# Altium PCB PCB2.PcbDoc (part 2 of 2)
Units mm, origin at the board's own origin, x right, y up, seen from the top; angles counter-clockwise.
Board outline 110 x 70 mm, 4 copper layers (Top Layer, Int1 (GND), Int2 (PWR), Bottom Layer), stack 1.586 mm thick; 125 components, 172 nets, 577 pads, 549 vias.
Unrouted connection lines stored in the file: 12.
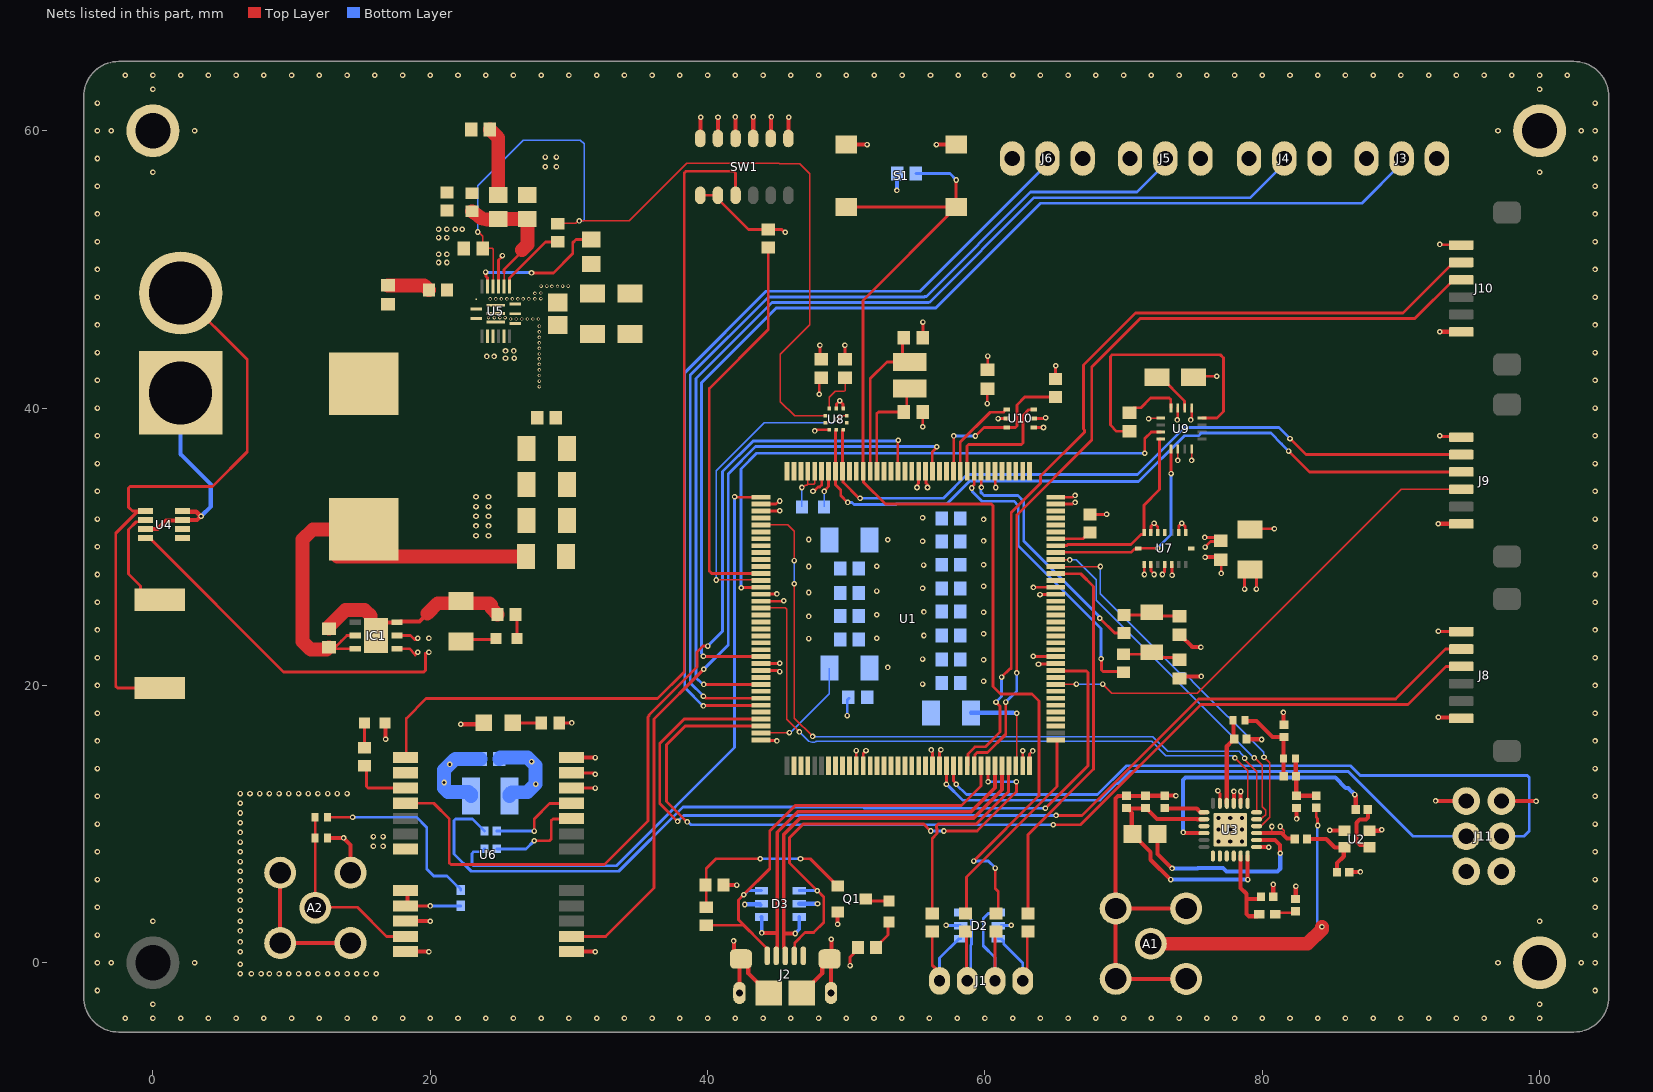
[diagram p4: the nets of this part, all layers, seen from the top]

## Via types
v1: diameter 0.4, hole 0.2, Top Layer to Bottom Layer, tented both sides, 488 vias
v2: diameter 0.25, hole 0.15, Top Layer to Bottom Layer, tented both sides, 40 vias
v3: diameter 0.6, hole 0.3, Top Layer to Bottom Layer, tented both sides, 9 vias
v4: diameter 0.4, hole 0.2, Top Layer to Int2 (PWR), tented both sides, 6 vias
v5: diameter 0.4, hole 0.2, Int2 (PWR) to Bottom Layer, tented both sides, 6 vias

## Nets (pads, with @x,y where several pads share a name; then routed paths per layer and width w, separated by ;. In a path a pad name is that pad's centre, name@x,y a point inside that pad or via, vN(x,y) a via of type N, cw(c..) or ccw(c..) an arc to the next point about the centre after c; other vN are vias at no path point)
+3V3: C13.2 C21.2 C32.2 C33.2 C34.2 C35.2 C36.2 C37.2 C38.2 C39.2 C40.2 C41.2 C42.2 C43.2 C44.2 C45.2 C48.2 C49.2 C50.2 C51.2 C52.2 C56.1 D4.1 FB1.1 IC1.1 IC1.2 J8.1 J9.1 J10.1 L4.1 R1.2 R10.2 R11.2 R12.1 R22.2 R25.2 SW1.1 SW1.2 U1.6 U1.17 U1.30 U1.39 U1.52 U1.62 U1.72 U1.84 U1.95 U1.108 U1.121 U1.131 U1.143 U1.144 U3.15 U4.4 U6.22 U6.23 U7.3 U7.7 U7.10 U7.11 U7.14 U7.15 U9.2 U9.4 U9.13 U10.5 | length 99.2
  Top Layer w0.1: v1(71.8,39.225) 71.825,39.25 72.65,39.25 U9.13@72.675,39.275 ; v1(73.9,36.225) 73.905,36.23 73.905,37.034 U9.2@73.911,37.039 ; v1(74.9,36.225) 74.905,36.23 74.905,37.034 U9.4@74.911,37.039 ; 80.693,9.35 v1(80.693,9.825) ; v1(81.293,9.825) 81.602,9.516 81.602,9.146
  Top Layer w0.203: U4.4@-0.538,30.625 -0.226,30.625 9.424,20.975 19.531,20.975 19.65,21.094 19.65,22.325 ; IC1.1@17.587,22.65 18.505,22.65 18.912,22.243 18.912,22.2 ; IC1.2@17.587,23.6 18.584,23.6 18.884,23.3 v1@18.937,23.3 ; C45.2@22.212,23.175 22.355,23.317 24.692,23.317 D4.1@24.75,23.375 ; R22.2@29.3,17.3 v1(30.2,17.3) ; U6.22@30.2,12.6 v1(31.9,12.6) ; U6.23@30.2,13.7 30.225,13.675 31.772,13.675 31.847,13.6 v1(31.9,13.6) ; SW1.1@39.5,55.3 39.543,55.343 SW1.2@40.745,55.343 ; SW1.2@40.6,55.3 40.6,55.233 42.958,52.875 R10.2@44.375,52.875 45.347,52.875 45.547,52.675 v1(45.6,52.675) ; U1.72@43.85,16.075 43.887,16.037 44.963,16.037 v1(45,16) ; U1.62@43.85,21.075 45.072,21.075 45.147,21 v1(45.2,21) ; U1.52@43.85,26.075 45.465,26.075 v1(45.495,26.105) ; U1.39@43.85,32.575 43.863,32.587 45.187,32.587 v1(45.2,32.6) ; v1(48.1,44.525) 48.1,43.625 C52.2@48.2,43.525 ; v1(48.412,33.988) 48.412,34.042 48.712,34.343 48.712,34.876 48.702,34.887 U1.30@48.702,34.9 ; v1(50.275,-0.2) 50.275,0.4 50.527,0.652 50.527,0.727 50.875,1.075 R1.2@50.95,1.075 ; U1.84@51.225,14.2 51.225,15.09 51.425,15.29 v1(51.425,15.3) ; v1@55.1,34.4 55.1,34.453 55.201,34.555 55.201,35.426 U1.17@55.225,35.45 ; U1.95@56.725,14.2 56.725,15.203 56.824,15.302 v1(56.824,15.355) ; C56.1@60.175,42.75 60.2,42.775 v1(60.2,43.75) ; U1.6@60.725,35.45 60.748,35.426 60.748,34.302 v1(60.775,34.275) ; U1.108@63.225,14.2 63.225,15.065 63.435,15.275 v1(63.45,15.275) ; v1(63.484,22.108) 63.5,22.091 65.059,22.091 U1.121@65.075,22.075 ; v1(63.495,27.067) 63.511,27.083 65.092,27.083 U1.131@65.1,27.075 ; U10.5@63.525,39.25 64.375,39.25 ccw(c64.375,39.275) v1@64.4,39.275 ; U1.143@65.1,33.075 66.322,33.075 66.409,33.162 66.462,33.162 v1(66.5,33.2) ; U1.144@65.1,33.575 66.322,33.575 66.447,33.7 v1(66.5,33.7) ; v1(65.1,43.05) 65.1,42.175 R25.2@65.15,42.125 ; R11.2@67.575,32.325 68.75,32.325 v1(68.775,32.35) ; U7.7@71.475,28.719 71.487,28.707 71.487,28.013 v1(71.5,28) ; U7.10@71.975,31.031 71.975,31.475 v1(72.2,31.7) 72.47,31.43 U7.11@72.47,31.036 ; U7.3@73.475,28.719 73.487,28.707 73.487,28.013 v1@73.5,28 ; U7.14@73.975,31.031 73.975,31.475 v1(74.2,31.7) 74.449,31.451 74.449,31.056 U7.15@74.475,31.031 ; v1(75.85,30.675) 76.875,30.675 C51.2@77.025,30.525 ; v1(75.875,29.975) 76.275,30.375 C51.2@77.075,30.375 ; C50.2@79.131,31.25 79.181,31.3 v1(80.875,31.3) ; R12.1@80.93,3.487 81.043,3.6 82.293,3.6 C13.2@82.405,3.712 ; v1(92.7,23.9) 92.712,23.888 94.387,23.888 J8.1@94.4,23.9 ; v1(92.8,38) 92.838,37.962 94.338,37.962 J9.1@94.4,37.9 ; v1(92.8,51.8) 92.825,51.775 94.275,51.775 J10.1@94.3,51.8
  Top Layer w0.3: U3.15@79.593,9.35 80.693,9.35 81.398,9.35 81.602,9.146 81.779,8.969 82.309,8.969 FB1.1@82.353,8.925
  Bottom Layer w0.1: L4.1@48.4,32.875 48.412,32.887 v1(48.412,33.988)
  Bottom Layer w0.203: v1(50.075,17.825) 50.075,18.95 C21.2@50.2,19.075
  Bottom Layer w1: C48.2@24.975,14.7 25.075,14.8 27.014,14.8 27.6,14.214 v1(27.6,12.886) 27.014,12.3 25.875,12.3 25.725,12.15 C49.2@25.725,12.025
  other v1: 27.307,14.507 59.9,20.3 59.9,21.85 19.1,22.4 19.9,22.4 47.3,23.375 19.1,23.4 19.9,23.4 59.9,23.725 47.3,24.975 59.9,25.275 47.3,26.7 59.9,27.15 73.5,27.95 47.3,28.575 59.9,28.7 59.9,30.425 47.3,30.525 59.9,31.975 55.1,34.275 64.375,39.3
+5V: C25.2 C26.2 C27.2 C28.2 C29.2 C30.2 C46.2 IC1.5 IC1.6 J3.1 J4.1 J5.1 J6.1 J11.1 J11.6 L5.2 R15.2 U5.5 U5.6 | length 36.3
  Top Layer w0.203: IC1.6@14.587,22.65 13.037,22.65 13.587,23.2 13.587,23.204 13.983,23.6 IC1.5@14.587,23.6
  Top Layer w1: C46.2@12.687,22.75 12.52,22.583 11.378,22.583 10.793,23.169 10.793,30.518 11.526,31.251 L5.2@15.214,31.251 ; L5.2@13.305,29.3 C25.2@26.9,29.3 ; C30.2@24.3,60.1 24.9,59.5 R15.2@24.9,55.375
  other v1: 23.3,30.8 24.2,30.8 23.3,31.5 24.2,31.5 23.3,32.2 24.2,32.2 23.3,32.9 24.2,32.9 23.3,33.6 24.2,33.6 24.075,43.725 24.6,43.725
BLDC1: J11.2 U1.96 | length 42.1
  Top Layer w0.203: v1(57.225,12.875) U1.96@57.225,14.2
  Bottom Layer w0.203: v1(57.225,12.875) 57.245,12.875 58.395,11.725 68.292,11.725 69.492,12.925 69.6,12.925 70.475,13.8 86.2,13.8 90.875,9.125 J11.2@94.71,9.125
BLDC2: J11.5 U1.97 | length 50.3
  Top Layer w0.203: U1.97@57.725,14.2 57.725,13.12 57.925,12.92 v1(57.925,12.867)
  Bottom Layer w0.203: v1(57.925,12.867) 58.664,12.128 68.125,12.128 70.2,14.203 86.367,14.203 87.07,13.5 99.112,13.5 99.25,13.362 99.25,9.5 98.875,9.125 J11.5@97.25,9.125
BOOT0: R11.1 U1.138 | length 2.7
  Top Layer w0.203: U1.138@65.1,30.575 67.075,30.575 67.475,30.975 R11.1@67.625,30.975
BOOT1: R10.1 U1.48 | length 28.9
  Top Layer w0.203: U1.48@43.85,28.075 40.3,28.075 40.125,28.25 40.125,41.413 44.375,45.663 R10.1@44.375,51.575
BST: R14.1 U5.1
BUSY: U3.7
CAN1_RX: U1.114
CAN1_TX: U1.115
D_N: D3.4 J2.2 U1.103 | length 29.8
  Top Layer w0.261: v1(43.9,2.15) 45,2.15 ; J2.2@44.95,0.5 44.977,0.527 44.977,1.1 45.016,1.139 45.016,3.34 45.016,9.416 46.5,10.9 59,10.9 60.725,12.625 U1.103@60.725,14.2
  Bottom Layer w0.261: D3.4@43.888,3.3 43.9,3.288 v1(43.9,2.15)
D_P: D3.3 J2.3 U1.104 | length 29.7
  Top Layer w0.261: J2.3@45.6,0.5 45.6,1.013 45.481,1.132 45.481,2.11 ; v1(46.315,2.11) 45.481,2.11 ; U1.104@61.225,14.2 61.225,13.661 61.231,13.656 61.231,12.474 59.192,10.436 46.692,10.436 45.481,9.224 45.481,3.532 45.481,2.11
  Bottom Layer w0.261: v1(46.315,2.11) 46.612,2.407 D3.3@46.612,3.3
D_SEL: U6.2
DIO1: U3.8
DIO2: U3.9
DIO3: U3.10
ELEVATOR: J5.2 U1.66 | length 68.6
  Top Layer w0.203: v1(39.7,19.225) 39.753,19.225 39.903,19.075 U1.66@43.775,19.075
  Bottom Layer w0.2: 55.65,48.05 55.775,48.05 63.3,55.575 70.96,55.575 73.01,57.625 J5.2@73.01,58
  Bottom Layer w0.203: v1(39.7,19.225) 38.753,20.172 38.753,42.383 44.392,48.022 55.65,48.022
EN: R17.1 U5.17 | length 10.2
  Top Layer w0.203: v1(23.992,49.81) 24.03,49.773 24.03,49.493 24.128,49.395 U5.17@24.128,48.794 ; v1(27.3,49.75) 28.877,49.75 30.275,51.148 30.275,51.925 30.5,52.15 R17.1@31.6,52.15
  Bottom Layer w0.203: v1(23.992,49.81) 24.023,49.78 27.27,49.78 v1(27.3,49.75)
EXTINT: U1.20 U6.4 | length 65.9
  Top Layer w0.203: U6.4@18.2,11.5 20.25,11.5 21.375,10.375 21.375,7.2 21.494,7.081 32.556,7.081 35.706,10.231 35.706,17.715 35.781,17.79 35.781,17.864 39.244,21.327 39.244,22.406 39.671,22.832 v1@40.011,22.832 ; U1.20@53.725,35.55 53.712,35.563 53.712,37.647 v1(53.75,37.685)
  Bottom Layer w0.203: v1(40.011,22.836) 41.086,23.911 41.086,35.426 43.292,37.632 53.558,37.632 53.573,37.647 53.712,37.647 v1(53.75,37.685)
FB: R15.1 R18.1 R19.2 U5.14 | length 9.7
  Top Layer w0.1: U5.14@25.325,48.775 25.325,49.8
  Top Layer w0.203: 25.325,49.8 25.325,50 26.65,51.325
  Top Layer w1: R18.1@23,54.2 23.523,53.808 23.525,53.806 ccw(c24.123,54.608) 24.123,53.608 24.725,53.608 R15.1@24.9,53.625 R19.2@27,53.625 27,51.79 26.612,51.402
FLAPS_SAG: J4.2 U1.64 | length 75.3
  Top Layer w0.203: v1(39.725,20.075) U1.64@43.433,20.075
  Bottom Layer w0.2: 55.925,47.625 56,47.625 63.55,55.175 79.14,55.175 81.59,57.625 J4.2@81.59,58
  Bottom Layer w0.203: v1(39.725,20.075) 39.672,20.075 39.347,20.4 39.314,20.4 39.156,20.557 39.156,42.125 44.65,47.619 55.925,47.619
FLAPS_SOL: J3.2 U1.60 | length 81.1
  Top Layer w0.2: v1(39.7,22.1) 39.713,22.087 43.538,22.087 U1.60@43.55,22.075
  Bottom Layer w0.2: v1(39.7,22.1) 39.7,22.154 39.557,22.297 39.557,41.825 44.95,47.218 56.075,47.218 ; 56.075,47.225 56.45,47.225 64,54.775 87.2,54.775 90.05,57.625 J3.2@90.05,58
GND: A1.G A2.G C1.1 C2.1 C4.1 C5.1 C7.1 C9.1 C10.1 C11.1 C12.1 C13.1 C14.1 C15.1 C16.1 C17.1 C18.2 C20.2 C21.1 C22.1 C23.1 C24.1 C25.1 C26.1 C27.1 C28.1 C29.1 C31.1 C32.1 C33.1 C34.1 C35.1 C36.1 C37.1 C38.1 C39.1 C40.1 C41.1 C42.1 C43.1 C44.1 C45.1 C46.1 C47.2 C48.1 C49.1 C50.1 C51.1 C52.1 C53.1 C54.2 C56.2 D2.2 D2.5 D3.2 D3.5 D5.2 D6.2 IC1.3 IC1.7 J2.5 J2.S J3.3 J4.3 J5.3 J6.3 J7.P J8.6 J9.6 J10.6 J11.3 J11.4 pad.1 pad.3 pad.4 Q1.2 R7.2 R19.1 R21.1 S1.3 S1.4 SW1.7 SW1.8 SW1.9 SW1.10 SW1.11 SW1.12 U1.16 U1.31 U1.38 U1.51 U1.61 U1.83 U1.94 U1.107 U1.120 U1.130 U2.1 U2.2 U3.13 U3.20 U3.21 U3.23 U3.25 U4.3 U4.7 U4.8 U5.8 U5.10 U5.11 U5.15 U5.20 U5.21 U6.7 U6.10 U6.12 U6.13 U6.24 U7.4 U7.6 U8.3 U8.8 U8.9 U9.9 U9.11 U10.2 U10.4 | length 183.5
  Top Layer w0.2: U5.15@24.925,48.775 24.925,49.632 24.923,49.634 24.923,50.669 25.2,50.946 v1(25.2,51) ; U1.61@43.85,21.575 43.863,21.587 45.187,21.587 v1(45.2,21.6) ; U1.51@43.85,26.575 43.863,26.587 44.987,26.587 v1(45,26.6) ; U1.38@43.85,33.075 44.921,33.075 45.146,33.3 v1(45.2,33.3) ; v1(47.6,34) 47.654,34 47.957,34.303 48.084,34.303 48.225,34.444 U1.31@48.225,35.45 ; v1(47.725,38.35) 47.779,38.35 47.869,38.44 U8.3@48.775,38.44 48.79,38.44 U8.3@48.8,38.45 ; v1(48.05,41) 48.05,41.925 C52.1@48.225,42.1 ; U8.9@49.3,39.95 49.302,39.952 49.302,40.302 v1(49.525,40.525) 49.773,40.277 U8.8@49.773,39.975 ; C53.1@49.9,43.525 v1(49.9,44.525) ; U1.83@50.725,14.2 v1(50.725,15.3) ; C17.1@55.475,45.025 55.525,45.075 v1(55.525,46.2) ; v1(55.521,38.65) 55.521,39.546 C15.1@55.55,39.575 ; U1.16@55.725,35.45 55.75,35.425 55.75,34.586 55.858,34.478 v1@55.858,34.424 ; v1(56.124,15.349) 56.124,15.294 56.228,15.191 56.228,14.203 U1.94@56.225,14.2 ; v1(60.175,40.325) C56.2@60.175,41.4 ; v1(60.95,39.246) 60.952,39.248 61.527,39.248 U10.2@61.575,39.2 ; U1.107@62.725,14.2 62.73,14.205 62.73,15.28 v1(62.734,15.284) ; U10.4@63.55,38.6 v1(64.225,38.6) ; v1(63.863,21.519) 63.894,21.55 65.075,21.55 U1.120@65.1,21.575 ; v1(63.97,26.553) 63.981,26.564 65.089,26.564 U1.130@65.1,26.575 ; U7.6@71.975,28.7 71.975,28.253 v1@72.199,28.029 ; v1(72.8,28) 72.8,28.054 72.948,28.202 72.948,28.673 U7.4@73,28.725 ; v1(73.875,39.15) 73.911,39.186 U9.11@73.911,40.011 ; v1(74.85,39.15) 74.85,39.204 74.911,39.265 U9.9@74.911,40.011 ; C54.2@75.3,42.325 75.325,42.3 v1(76.725,42.3) ; v1(76.8,12.4) 76.8,12.346 76.943,12.203 76.943,11.543 U3.23@76.9,11.5 ; v1(77.05,28.075) 77.05,28.9 C51.1@77.075,28.925 ; v1(78.725,26.95) 78.725,27.875 C50.1@79.15,28.3 ; C50.1@79.275,28.3 79.575,28 v1(79.575,26.95)
  Top Layer w0.3: U4.3@-0.538,31.275 0.325,31.275 0.95,31.9 U4.7@2.15,31.9 ; U4.8@2.138,32.575 2.191,32.522 3.126,32.522 v4@3.448,32.2 ; U4.7@2.225,31.925 3.173,31.925 v4@3.448,32.2 ; v4@3.45,32.175 3.45,32.198 v4@3.448,32.2 ; v4@3.45,32.2 v5(3.475,32.2) ; A2.G@9.17,6.5 A2.G@9.17,1.42 A2.G@14.25,1.42 ; C47.2@12.58,9 v1(13.75,9) 14.25,8.5 A2.G@14.25,6.5 ; IC1.7@15.987,23.8 IC1.7@16.269,24.081 ; IC1.7@16.087,23.6 16.65,24.163 16.65,24.55 IC1.3@17.587,24.55 17.787,24.55 17.837,24.6 19.212,24.6 19.787,25.175 ; D6.2@16.75,17.3 16.781,17.269 v1(16.781,16.119) ; U6.12@18.2,0.8 v1(19.9,0.8) ; U6.10@18.2,3 v1(20,3) ; v1(22.2,17.2) 23.75,17.2 D5.2@23.85,17.3 ; U6.13@30.2,0.8 v1(31.9,0.8) ; U6.24@30.2,14.8 v1@31.854,14.8 ; SW1.12@39.475,59.125 39.488,59.137 39.488,60.963 v1(39.5,60.975) ; SW1.11@40.735,59.315 40.748,59.327 40.748,60.973 v1(40.75,60.975) ; R7.2@41.15,5.6 v1(42.1,5.6) ; v1@41.9,1.6 41.894,1.594 41.894,0.781 J2.S@42.387,0.287 ; SW1.10@41.994,59.256 42.008,59.269 42.008,60.993 v1(42,61) ; J2.S@42.3,-2.175 42.3,0.2 J2.S@42.375,0.275 ; J2.S@42.467,0.2 42.927,-0.26 42.927,-0.752 44.35,-2.175 J2.S@44.4,-2.175 ; SW1.9@43.28,59.18 43.293,59.193 43.293,60.993 v1(43.3,61) ; SW1.8@44.565,59.135 44.565,60.938 44.6,60.973 v1(44.6,61) ; SW1.7@45.825,59.225 45.838,59.237 45.838,60.963 v1(45.85,60.975) ; J2.S@46.8,-2.175 46.85,-2.175 48.273,-0.752 48.273,-0.26 J2.S@48.742,0.208 ; J2.S@48.75,0.2 48.9,0.05 J2.S@48.9,-2.175 ; J2.S@48.808,0.275 J2.S@48.925,0.275 ; J2.S@48.925,0.4 v1@48.925,1.65 ; v1(49.375,2.775) 49.375,3.625 Q1.2@49.475,3.725 ; S1.4@49.984,58.993 49.991,59 v1(51.5,59) ; v1(56.5,59) 57.927,59 S1.3@57.934,58.993 ; v1@72.199,28.029 72.2,28.028 v1(72.2,28) ; v1@73.725,12.05 72.978,12.05 C5.1@72.968,12.04 C4.1@71.593,12.04 71.568,12.015 70.243,12.015 C14.1@70.218,12.04 70.193,12.015 69.604,12.015 69.428,11.839 A1.G@69.428,3.915 ; C1.1@74.025,20.5 74.175,20.65 v1(75.6,20.65) ; C2.1@74.025,23.65 74.075,23.65 74.956,22.769 75.556,22.769 v1(75.575,22.75) ; A1.G@74.508,-1.165 A1.G@69.428,-1.165 A1.G@69.428,3.915 ; A1.G@74.508,3.915 A1.G@69.428,3.915 ; v1(75.875,29.25) 76.975,29.25 C51.1@77.075,29.15 ; U3.21@77.95,11.575 77.95,12.348 v1(77.957,12.355) ; U3.20@78.443,11.5 78.443,12.343 v1(78.45,12.35) ; C10.1@78.858,16.15 78.889,16.119 79.931,16.119 v1(79.95,16.1) ; U3.13@79.593,8.35 80.423,8.35 80.448,8.325 v1@80.45,8.325 ; v1@80.775,5.675 80.793,5.657 80.793,4.77 C12.1@80.785,4.763 ; v1(81.525,18.055) 81.541,18.039 81.541,17.181 C11.1@81.557,17.165 ; v1(82.425,5.525) 82.415,5.515 82.415,4.635 C13.1@82.45,4.6 ; C9.1@82.468,11.16 82.468,10.457 v1@82.525,10.4 ; v1(84.875,9.55) 84.887,9.538 85.962,9.538 U2.1@86,9.5 ; C7.1@86.4,6.5 86.4,6.523 86.415,6.538 87.063,6.538 v1(87.075,6.55) ; U2.2@87.725,9.525 88.475,9.525 v1@88.575,9.625 ; v1(92.5,11.675) 92.505,11.67 94.334,11.67 94.339,11.665 J11.3@94.71,11.665 ; v1(92.7,17.7) 92.719,17.681 94.181,17.681 J8.6@94.2,17.7 ; v1(92.7,31.658) 92.704,31.654 94.154,31.654 J9.6@94.2,31.7 ; v1(92.8,45.5) J10.6@94.2,45.5 ; J11.4@97.25,11.665 97.258,11.658 99.707,11.658 v1@99.725,11.675
  Top Layer w1: C46.1@12.687,24.1 12.687,24.24 13.898,25.45 15.277,25.45 15.712,25.015 15.712,23.975 IC1.7@16.087,23.6 ; 19.787,25.175 20.537,25.925 21.812,25.925 21.962,26.075 C45.1@21.962,26.125 ; C45.1@22.212,26.075 22.162,26.125 C45.1@21.962,26.125 ; R21.1@24.85,25.125 24.4,25.575 24.4,25.79 24.265,25.925 22.162,25.925 C45.1@21.962,26.125
  Bottom Layer w0.2: v1(57.2,2.7) 57.213,2.687 58.213,2.687 D2.2@58.3,2.6 ; D2.5@61.2,2.7 61.213,2.687 61.887,2.687 v1(61.9,2.7)
  Bottom Layer w0.3: J7.P@2,41.1 2,36.675 4.175,34.5 4.175,32.9 v5(3.475,32.2) ; v1(42.675,4.2) 42.694,4.219 43.781,4.219 D3.5@43.825,4.175 ; D3.2@46.612,4.25 v1@47.85,4.25 ; C16.1@53.6,57.025 53.65,56.975 v1(53.65,55.7)
  Bottom Layer w1: C49.1@22.925,12.025 22.925,12.168 22.775,12.318 21.268,12.318 21,12.586 v1(21,13) 21,13.9 v1(21.4,14.3) 21.8,14.7 C48.1@23.625,14.7
  other v1: -2,-4 0,-4 2,-4 4,-4 6,-4 8,-4 10,-4 12,-4 14,-4 16,-4 18,-4 20,-4 22,-4 24,-4 26,-4 28,-4 30,-4 32,-4 34,-4 36,-4 38,-4 40,-4 42,-4 44,-4 46,-4 48,-4 50,-4 52,-4 54,-4 56,-4 58,-4 60,-4 62,-4 64,-4 66,-4 68,-4 70,-4 72,-4 74,-4 76,-4 78,-4 80,-4 82,-4 84,-4 86,-4 88,-4 90,-4 92,-4 94,-4 96,-4 98,-4 100,-4 0,-3 100,-3 -4,-2 104,-2 6.3,-0.8 7.1,-0.8 7.8,-0.8 8.4,-0.8 9.1,-0.8 9.8,-0.8 10.5,-0.8 11.2,-0.8 11.9,-0.8 12.6,-0.8 13.3,-0.8 14,-0.8 14.7,-0.8 15.4,-0.8 16.1,-0.8 6.3,-0.1 -4,0 -3,0 3,0 97,0 103,0 104,0 6.3,0.8 6.3,1.5 41.875,1.575 48.925,1.7 -4,2 104,2 6.3,2.3 0,3 6.3,3 100,3 6.3,3.8 -4,4 104,4 47.925,4.25 6.3,4.5 6.3,5.2 80.8,5.65 6.3,5.9 -4,6 104,6 6.3,6.6 6.3,7.3 -4,8 6.3,8 104,8 80.475,8.325 15.9,8.4 16.6,8.4 6.3,8.7 15.9,9.1 16.6,9.1 6.3,9.4 88.625,9.6 -4,10 104,10 6.3,10.1 82.475,10.375 6.3,10.8 6.3,11.5 99.75,11.65 -4,12 104,12 73.775,12.05 6.3,12.2 7,12.2 7.7,12.2 8.4,12.2 9.1,12.2 9.8,12.2 10.5,12.2 11.2,12.2 11.9,12.2 12.6,12.2 13.3,12.2 14,12.2 -4,14 104,14 31.9,14.8 -4,16 104,16 -4,18 104,18 -4,20 104,20 55.5,20.1 53,21.3 55.5,21.9 -4,22 104,22 52.2,23.4 55.6,23.6 -4,24 104,24 52.2,25.1 55.6,25.3 -4,26 104,26 52.2,26.8 55.5,27 -4,28 104,28 52.2,28.6 55.575,28.675 -4,30 104,30 55.5,30.4 53,30.5 -4,32 104,32 55.5,32.1 -4,34 104,34 55.858,34.275 -4,36 104,36 -4,38 104,38 -4,40 104,40 -4,42 104,42 25.425,43.6 26.05,43.6 -4,44 104,44 25.425,44.125 26.025,44.125 -4,46 104,46 -4,48 104,48 -4,50 104,50 20.6,50.5 21.2,50.5 20.6,51.1 21.2,51.1 -4,52 104,52 20.6,52.3 21.2,52.3 20.6,52.9 21.2,52.9 21.8,52.9 22.3,52.9 -4,54 104,54 -4,56 104,56 0,57 100,57 28.3,57.4 29.1,57.4 -4,58 104,58 28.3,58.1 29.1,58.1 -4,60 -3,60 3,60 97,60 103,60 104,60 -4,62 104,62 0,63 100,63 -2,64 0,64 2,64 4,64 6,64 8,64 10,64 12,64 14,64 16,64 18,64 20,64 22,64 24,64 26,64 28,64 30,64 32,64 34,64 36,64 38,64 40,64 42,64 44,64 46,64 48,64 50,64 52.025,64 54.025,64 56.075,64 58.075,64 60,64 62,64 64,64 66,64 68,64 70,64 72,64 74,64 76,64 78,64 80,64 82,64 84,64 86,64 88,64 90,64 92,64 94,64 96,64 98,64 100,64 102,64
  other v2: 27.875,41.55 27.875,41.95 27.875,42.35 27.875,42.75 27.875,43.15 27.875,43.55 27.875,43.9 27.875,44.3 27.875,44.7 27.875,45.1 27.875,45.5 27.875,45.9 25.8,46.425 26.2,46.425 26.6,46.425 27,46.425 27.4,46.425 27.8,46.425 24.2,46.525 24.625,46.525 25.025,46.525 25.4,46.525
  other v3: 76.843,8.75 77.693,8.75 78.543,8.75 76.843,9.6 77.693,9.6 78.543,9.6 76.843,10.45 77.693,10.45 78.543,10.45
  other v4: 3.475,32.2
LNA_EN: U1.15 U6.14 | length 56.5
  Top Layer w0.203: U6.14@30.2,1.9 32.65,1.9 36.131,5.381 36.131,17.569 v1(39.724,21.163) ; 56.202,36.175 56.202,36.829 56.525,37.152 v1(56.525,37.206)
  Bottom Layer w0.203: v1(39.724,21.163) 41.489,22.928 41.489,35.259 43.459,37.229 56.501,37.229 v1(56.525,37.206)
MCU_NRST: C16.2 R4.1 S1.1 S1.2 U1.25 | length 80.6
  Top Layer w0.203: S1.2@49.984,54.493 S1.1@57.934,54.493 ; 51.202,36.126 51.202,36.25 51.199,36.253 51.199,47.758 S1.1@57.934,54.493 ; U1.25@51.225,35.45 51.248,35.426 51.248,34.65 52.824,33.075 60.456,33.075 60.575,32.956 60.575,19.925 61.125,19.375 63.4,19.375 63.906,18.869 63.906,12.05 v1(59.19,7.335) ; v1@57.975,56.45 57.925,56.4 57.925,54.502 S1.1@57.934,54.493 ; v1(60.75,6.825) 60.75,5.334 60.956,5.128 60.956,3.607 R4.1@60.8,3.45
  Bottom Layer w0.203: C16.2@55.025,56.925 57.469,56.925 57.925,56.469 v1(57.925,56.45) ; v1(59.19,7.335) 60.24,7.335 v1(60.75,6.825)
MCU_SWCLK: R3.1 U1.109 | length 15.2
  Top Layer w0.203: R3.1@58.6,3.55 58.675,3.625 58.675,5.681 58.681,5.686 58.681,6.181 65.2,12.7 U1.109@65.2,16
MCU_SWDIO: R2.1 U1.105 | length 14.4
  Top Layer w0.203: R2.1@56.2,3.55 56.2,8.972 56.542,9.314 56.542,9.691 56.516,9.717 56.516,9.885 56.635,10.004 59.371,10.004 61.701,12.334 61.701,13.626 61.725,13.65 U1.105@61.725,14.076
MCU_SWO: R5.1 U1.133 | length 28.7
  Top Layer w0.203: R5.1@63.1,3.55 63.099,9.235 67.825,13.962 67.825,27.14 66.913,28.051 65.673,28.051 65.626,28.098 U1.133@65.1,28.098
NetA1_S: A1.S C8.1 | length 21.7
  Top Layer w0.203: C8.1@83.893,11.175 83.893,10.506 83.994,10.404 83.994,9.906 v1(84,9.9)
  Top Layer w1: A1.S@71.968,1.375 83.268,1.375 84.3,2.407 v1(84.3,2.6)
  Bottom Layer w0.203: v1(84,9.9) 83.967,9.867 83.967,2.98 84.3,2.647 v1(84.3,2.6)
NetC1_2: C1.2 R8.1 X1.1 | length 3.9
  Top Layer w0.203: R8.1@70,22.25 X1.1@71.651,22.25 ; X1.1@72.025,22.38 72.382,22.023 73.852,22.023 C1.2@74.025,21.85
NetC2_2: C2.2 R9.1 X1.2 | length 4.1
  Top Layer w0.203: R9.1@70.025,25.075 71.85,25.075 X1.2@71.925,25.15 ; X1.2@72.025,25.325 72.35,25 C2.2@74.025,25
NetC4_2: C4.2 C14.2 L3.1 U3.2 U3.12 | length 19.8
  Top Layer w0.3: L3.1@70.643,9.275 L3.1@70.593,9.325 ; v1(73.4,6) 73.374,6 71.943,7.431 71.943,7.975 L3.1@70.593,9.325 ; U3.2@75.793,10.35 75.336,10.35 75.311,10.375 72.398,10.375 71.613,11.16 C4.2@71.593,11.16 71.568,11.135 70.243,11.135 C14.2@70.218,11.16 70.238,11.16 70.593,10.805 L3.1@70.593,9.325 ; U3.12@78.943,7.7 78.943,6.004 v1(78.947,6)
  Bottom Layer w0.3: v1(73.4,6) v1(78.947,6)
NetC5_2: C5.2 U3.1 | length 3
  Top Layer w0.3: C5.2@72.968,11.16 73.008,11.12 75.273,11.12 75.543,10.85 U3.1@75.793,10.85
NetC6_1: C6.1 C11.2 L1.2 L2.1 | length 6.2
  Top Layer w0.3: L1.2@78.758,17.5 78.825,17.433 79.591,17.433 80.739,16.285 C11.2@81.557,16.285 81.542,16.27 81.542,14.74 L2.1@81.528,14.725 81.54,14.712 81.54,13.462 C6.1@81.553,13.45
NetC6_2: C6.2 C8.2 C9.2 L2.2 | length 4.1
  Top Layer w0.3: L2.2@82.408,14.725 82.42,14.712 82.42,13.462 C6.2@82.433,13.45 82.45,13.432 82.45,12.057 C9.2@82.468,12.04 82.475,12.047 83.885,12.047 C8.2@83.893,12.055
NetC10_2: C10.2 L1.1 U3.22 | length 6.3
  Top Layer w0.3: U3.22@77.443,11.5 77.443,15.615 77.808,15.98 77.828,15.98 77.978,16.13 C10.2@77.978,16.15 77.928,16.2 77.928,17.45 L1.1@77.878,17.5
NetC12_2: C12.2 R12.2 U3.11 | length 6.5
  Top Layer w0.3: U3.11@78.443,7.7 78.443,5.4 78.868,4.975 78.868,4.587 ; R12.2@79.78,3.487 79.644,3.351 79.044,3.351 78.868,3.527 78.868,4.587 ; C12.2@79.905,4.763 79.905,4.742 79.755,4.592 79.155,4.592 79.15,4.587 78.868,4.587